# KiCad board Layer0.kicad_pcb (continued)
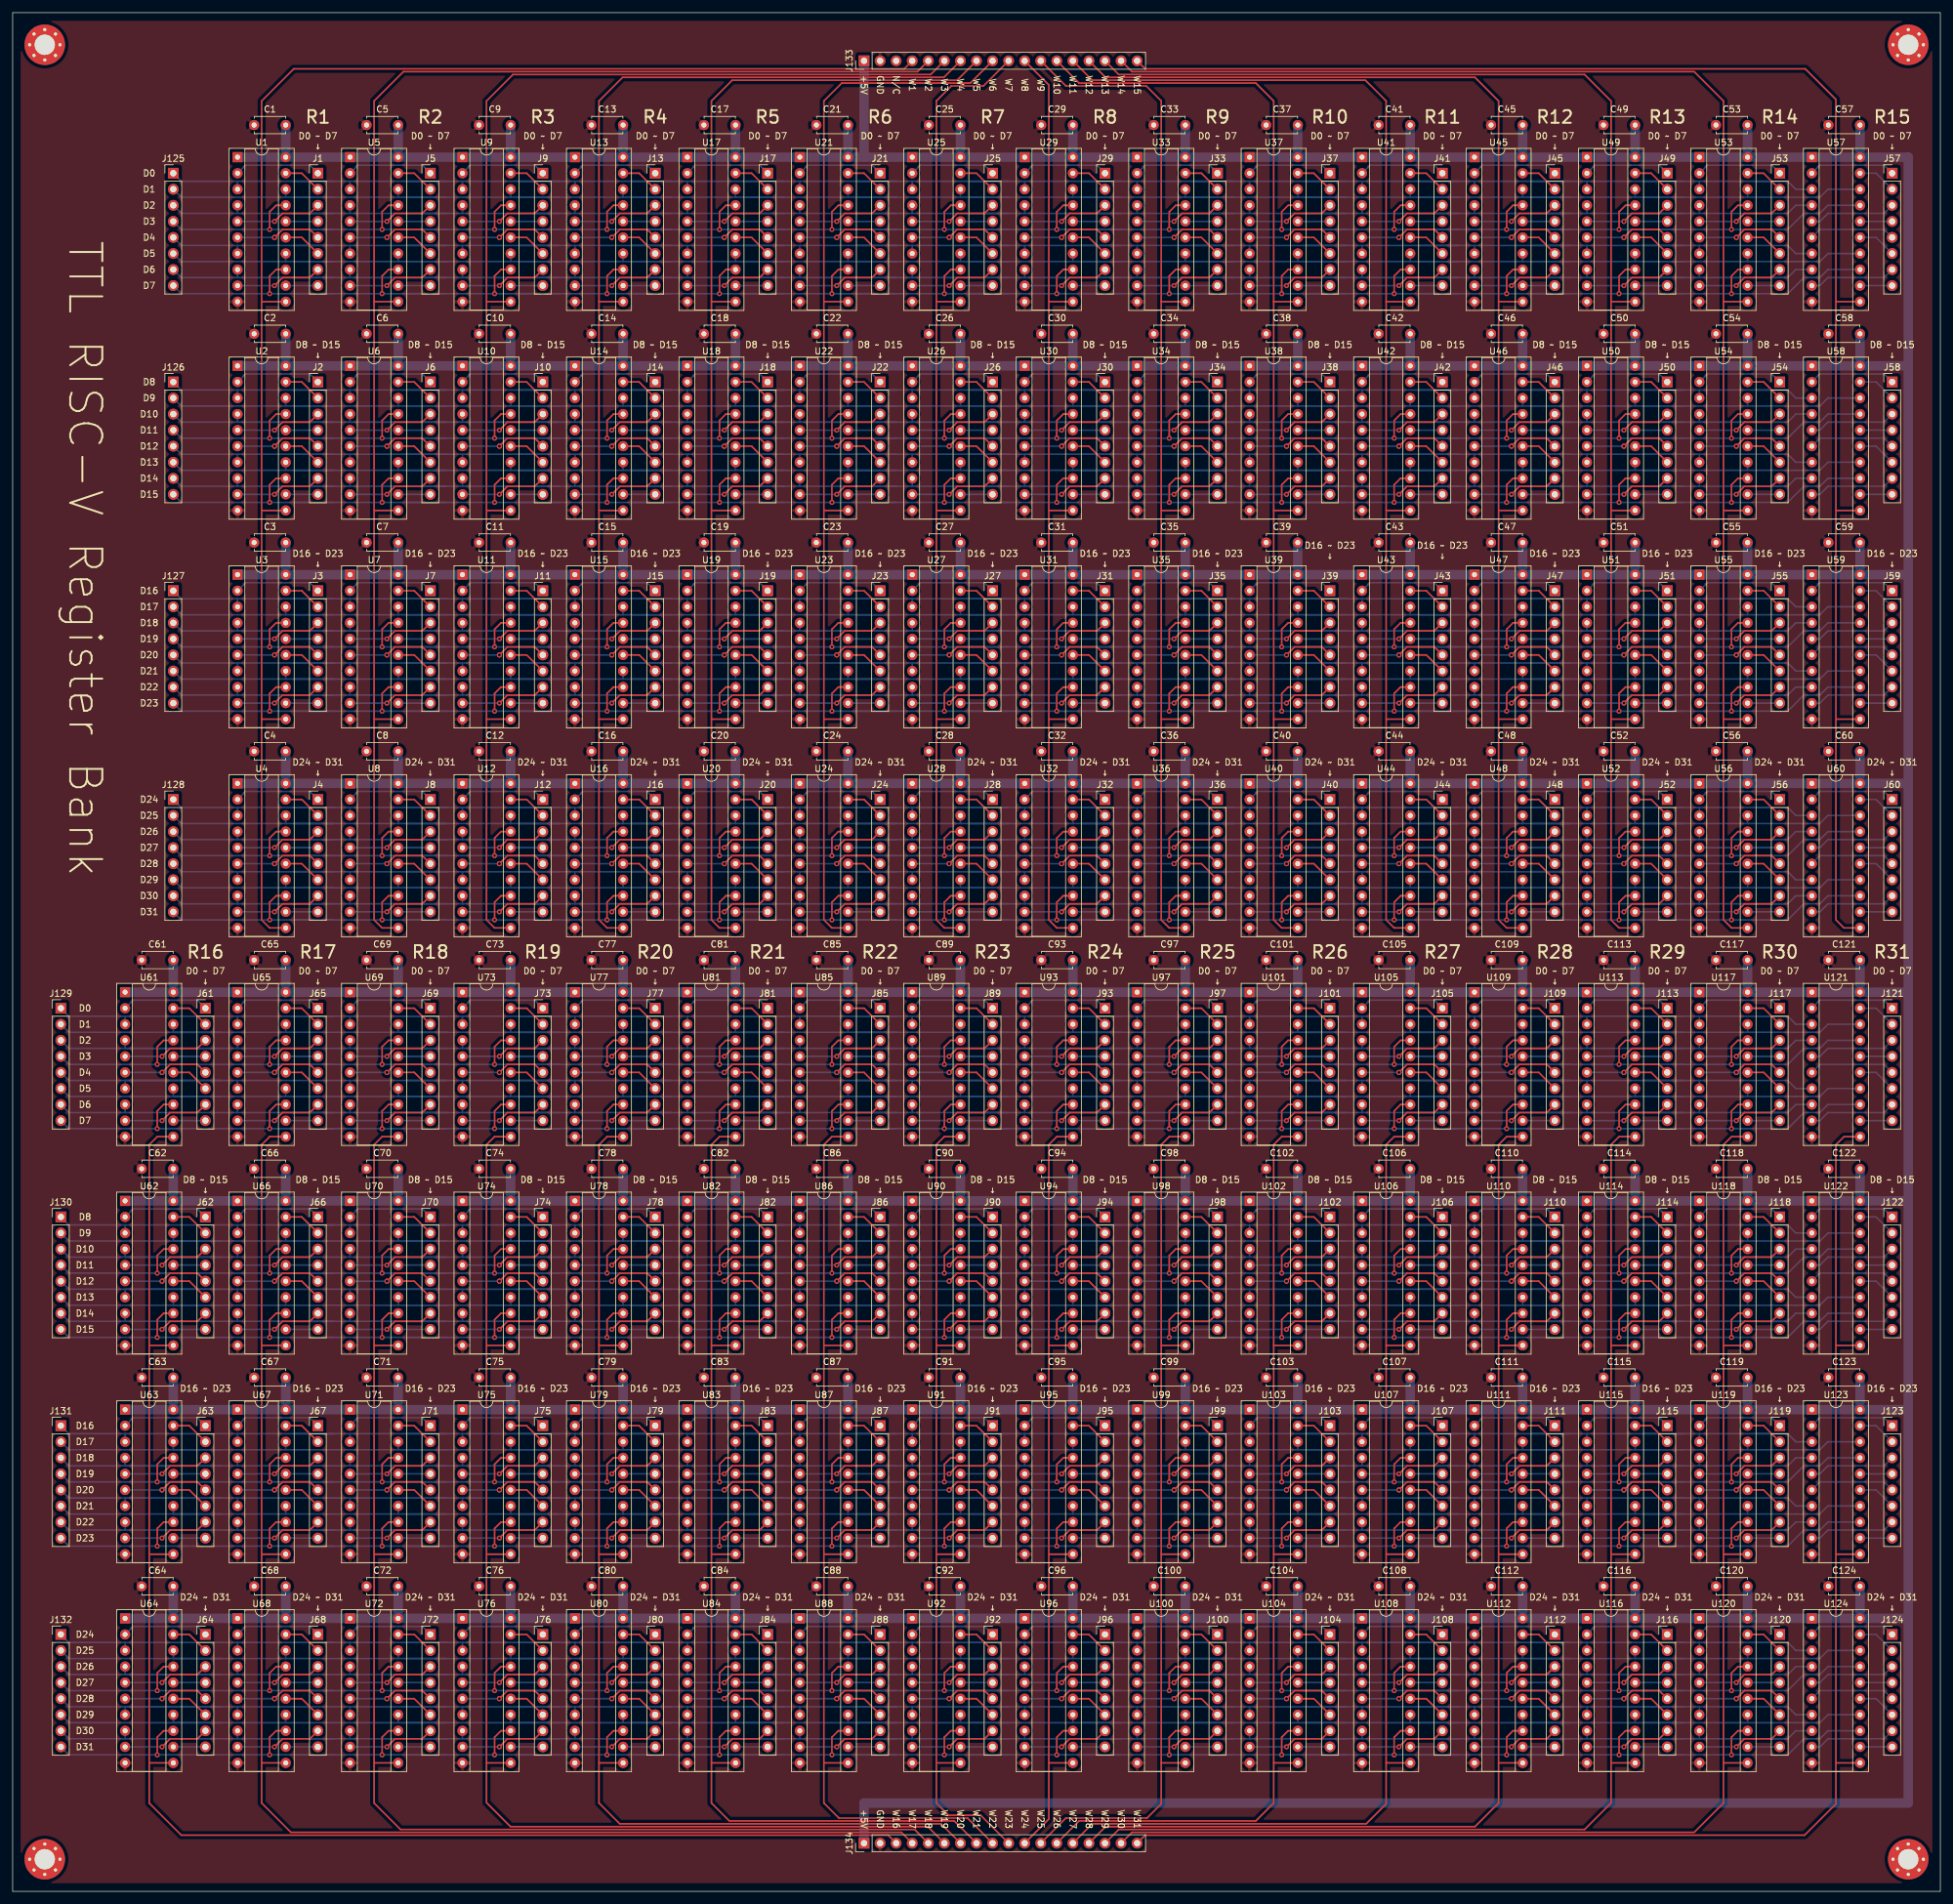
[diagram p0: board, top side]
## Routing (per net, layer and track width the routed paths; a pad name or vN(x,y) marks a point on that pad's centre or on a via; arc(x,y) is an arc through that point) (continued)
  Bottom w0.25: 157.48,64.77 v1(147.32,64.77) 133.35,64.77 ; 50.8,64.77 v1(40.64,64.77) v1(22.86,64.77) 8.89,64.77 J131.4 ; 222.25,64.77 v1(236.22,64.77) 246.38,64.77 ; 115.57,64.77 v1(129.54,64.77) 139.7,64.77 ; 97.79,64.77 v1(111.76,64.77) 121.92,64.77 ; 68.58,64.77 v1(58.42,64.77) 44.45,64.77 ; 62.23,64.77 v1(76.2,64.77) 86.36,64.77 ; 151.13,64.77 v1(165.1,64.77) 175.26,64.77 ; 80.01,64.77 v1(93.98,64.77) 104.14,64.77 ; U123.17 287.02,68.58 285.75,67.31 283.21,67.31 280.67,64.77 275.59,64.77 ; 240.03,64.77 v1(254,64.77) 264.16,64.77 ; 257.81,64.77 v1(271.78,64.77) 276.22,64.77 ; 193.04,64.77 v1(182.88,64.77) 168.91,64.77 ; 210.82,64.77 v1(200.66,64.77) 186.69,64.77 ; 228.6,64.77 v1(218.44,64.77) 204.47,64.77
/D_W6_4: length 388.4
  Bottom w0.25: U63.7 17.78,62.23 68.58,62.23 ; U67.7 35.56,62.23 ; 62.23,62.23 86.36,62.23 ; 186.69,62.23 210.82,62.23 ; U75.7 71.12,62.23 ; U123.7 281.94,60.96 280.67,62.23 257.81,62.23 ; U87.7 124.46,62.23 ; 80.01,62.23 104.14,62.23 ; U79.7 88.9,62.23 ; U71.7 53.34,62.23 ; 115.57,62.23 139.7,62.23 ; U111.7 231.14,62.23 ; U103.7 195.58,62.23 ; 222.25,62.23 246.38,62.23 ; U99.7 177.8,62.23 ; U107.7 213.36,62.23 ; 168.91,62.23 193.04,62.23 ; 204.47,62.23 228.6,62.23 ; U95.7 160.02,62.23 ; 151.13,62.23 175.26,62.23 ; U91.7 142.24,62.23 ; 97.79,62.23 121.92,62.23 ; U83.7 106.68,62.23 ; 133.35,62.23 157.48,62.23 ; U115.7 248.92,62.23 ; 240.03,62.23 264.16,62.23 ; U119.7 266.7,62.23 ; J131.5 8.89,62.23 33.02,62.23
/D_W6_5: length 388.4
  Bottom w0.25: 62.23,59.69 86.36,59.69 ; U91.14 149.86,59.69 ; 115.57,59.69 139.7,59.69 ; U67.14 43.18,59.69 ; U83.14 114.3,59.69 ; U75.14 78.74,59.69 ; U71.14 60.96,59.69 ; U87.14 132.08,59.69 ; U79.14 96.52,59.69 ; 80.01,59.69 104.14,59.69 ; 151.13,59.69 175.26,59.69 ; U119.14 274.32,59.69 ; U111.14 238.76,59.69 ; U99.14 185.42,59.69 ; 168.91,59.69 193.04,59.69 ; 204.47,59.69 228.6,59.69 ; 222.25,59.69 246.38,59.69 ; 186.69,59.69 210.82,59.69 ; U103.14 203.2,59.69 ; U107.14 220.98,59.69 ; U95.14 167.64,59.69 ; U123.14 287.02,60.96 285.75,59.69 257.81,59.69 ; 133.35,59.69 157.48,59.69 ; 97.79,59.69 121.92,59.69 ; 240.03,59.69 264.16,59.69 ; U115.14 256.54,59.69 ; U63.14 25.4,59.69 68.58,59.69 ; 33.02,59.69 8.89,59.69 J131.6
/D_W6_6: length 384.6
  Bottom w0.25: U63.8 17.78,57.15 ; 17.78,57.15 35.56,57.15 ; 17.78,57.15 8.89,57.15 J131.7 ; 35.56,57.15 U67.8 ; 35.56,57.15 50.8,57.15 ; U75.8 71.12,57.15 ; 71.12,57.15 62.23,57.15 ; 71.12,57.15 86.36,57.15 ; 142.24,57.15 157.48,57.15 ; 142.24,57.15 133.35,57.15 ; 142.24,57.15 U91.8 ; 53.34,57.15 68.58,57.15 ; 53.34,57.15 U71.8 ; 53.34,57.15 44.45,57.15 ; 266.7,57.15 280.67,57.15 ; 266.7,57.15 257.81,57.15 ; 266.7,57.15 U119.8 ; 280.67,57.15 281.94,58.42 U123.8 ; 280.67,57.15 275.59,57.15 ; 80.01,57.15 88.9,57.15 ; 88.9,57.15 U79.8 ; 88.9,57.15 104.14,57.15 ; U95.8 160.02,57.15 ; 160.02,57.15 175.26,57.15 ; 160.02,57.15 151.13,57.15 ; U87.8 124.46,57.15 ; 124.46,57.15 115.57,57.15 ; 124.46,57.15 139.7,57.15 ; U107.8 213.36,57.15 ; 213.36,57.15 204.47,57.15 ; 213.36,57.15 228.6,57.15 ; 222.25,57.15 231.14,57.15 ; 231.14,57.15 U111.8 ; 231.14,57.15 246.38,57.15 ; 177.8,57.15 193.04,57.15 ; 177.8,57.15 U99.8 ; 177.8,57.15 168.91,57.15 ; 195.58,57.15 210.82,57.15 ; 195.58,57.15 U103.8 ; 195.58,57.15 186.69,57.15 ; 106.68,57.15 121.92,57.15 ; 106.68,57.15 U83.8 ; 106.68,57.15 97.79,57.15 ; U115.8 248.92,57.15 ; 248.92,57.15 240.03,57.15 ; 248.92,57.15 264.16,57.15
/D_W6_7: length 455.5
  Top w0.25: U91.13 148.34,58.42 147.32,57.4 v1(147.32,54.61) ; v1(22.86,54.61) 22.86,57.4 23.88,58.42 U63.13 ; v1(40.64,54.61) 40.64,57.4 41.66,58.42 U67.13 ; v1(58.42,54.61) 58.42,57.4 59.44,58.42 U71.13 ; v1(129.54,54.61) 129.54,57.4 130.56,58.42 U87.13 ; v1(165.1,54.61) 165.1,57.4 166.12,58.42 U95.13 ; v1(93.98,54.61) 93.98,57.4 95,58.42 U79.13 ; v1(76.2,54.61) 76.2,57.4 77.22,58.42 U75.13 ; v1(236.22,54.61) 236.22,57.4 237.24,58.42 U111.13 ; U99.13 183.9,58.42 182.88,57.4 v1(182.88,54.61) ; U103.13 201.68,58.42 200.66,57.4 v1(200.66,54.61) ; v1(218.44,54.61) 218.44,57.4 219.46,58.42 U107.13 ; U83.13 112.78,58.42 111.76,57.4 v1(111.76,54.61) ; v1(254,54.61) 254,57.4 255.02,58.42 U115.13 ; v1(271.78,54.61) 271.78,57.4 272.8,58.42 U119.13
  Bottom w0.25: 115.57,54.61 v1(129.54,54.61) 139.7,54.61 ; U123.13 287.02,58.42 285.75,57.15 283.21,57.15 280.67,54.61 v1(271.78,54.61) 257.81,54.61 ; 133.35,54.61 v1(147.32,54.61) 157.48,54.61 ; 68.58,54.61 v1(58.42,54.61) 44.45,54.61 ; 62.23,54.61 v1(76.2,54.61) 86.36,54.61 ; 151.13,54.61 v1(165.1,54.61) 175.26,54.61 ; 80.01,54.61 v1(93.98,54.61) 104.14,54.61 ; 240.03,54.61 v1(254,54.61) 264.16,54.61 ; 222.25,54.61 v1(236.22,54.61) 246.38,54.61 ; 97.79,54.61 v1(111.76,54.61) 121.92,54.61 ; 186.69,54.61 v1(200.66,54.61) 210.82,54.61 ; 204.47,54.61 v1(218.44,54.61) 228.6,54.61 ; 168.91,54.61 v1(182.88,54.61) 193.04,54.61 ; 50.8,54.61 v1(40.64,54.61) v1(22.86,54.61) 8.89,54.61 J131.8
/D_W7_0: length 384.6
  Bottom w0.25: 17.78,39.37 35.56,39.37 ; 17.78,39.37 U64.3 ; 17.78,39.37 8.89,39.37 J132.1 ; 35.56,39.37 50.8,39.37 ; 35.56,39.37 U68.3 ; 62.23,39.37 71.12,39.37 ; 71.12,39.37 86.36,39.37 ; 71.12,39.37 U76.3 ; 266.7,39.37 280.67,39.37 ; 266.7,39.37 U120.3 ; 266.7,39.37 257.81,39.37 ; 280.67,39.37 275.59,39.37 ; 280.67,39.37 281.94,38.1 U124.3 ; 160.02,39.37 175.26,39.37 ; 160.02,39.37 U96.3 ; 160.02,39.37 151.13,39.37 ; 115.57,39.37 124.46,39.37 ; 124.46,39.37 139.7,39.37 ; 124.46,39.37 U88.3 ; 80.01,39.37 88.9,39.37 ; 88.9,39.37 104.14,39.37 ; 88.9,39.37 U80.3 ; 44.45,39.37 53.34,39.37 ; 53.34,39.37 U72.3 ; 53.34,39.37 68.58,39.37 ; 168.91,39.37 177.8,39.37 ; 177.8,39.37 U100.3 ; 177.8,39.37 193.04,39.37 ; 222.25,39.37 231.14,39.37 ; 231.14,39.37 246.38,39.37 ; 231.14,39.37 U112.3 ; U108.3 213.36,39.37 ; 213.36,39.37 228.6,39.37 ; 213.36,39.37 204.47,39.37 ; U104.3 195.58,39.37 ; 195.58,39.37 210.82,39.37 ; 195.58,39.37 186.69,39.37 ; U92.3 142.24,39.37 ; 142.24,39.37 133.35,39.37 ; 142.24,39.37 157.48,39.37 ; U84.3 106.68,39.37 ; 106.68,39.37 97.79,39.37 ; 106.68,39.37 121.92,39.37 ; 248.92,39.37 264.16,39.37 ; 248.92,39.37 240.03,39.37 ; 248.92,39.37 U116.3
/D_W7_1: length 388.4
  Bottom w0.25: 97.79,36.83 121.92,36.83 ; U64.18 25.4,36.83 68.58,36.83 ; U68.18 43.18,36.83 ; U76.18 78.74,36.83 ; 62.23,36.83 86.36,36.83 ; 133.35,36.83 157.48,36.83 ; 151.13,36.83 175.26,36.83 ; U72.18 60.96,36.83 ; U96.18 167.64,36.83 ; 80.01,36.83 104.14,36.83 ; U80.18 96.52,36.83 ; U124.18 287.02,38.1 285.75,36.83 257.81,36.83 ; 240.03,36.83 264.16,36.83 ; U104.18 203.2,36.83 ; U100.18 185.42,36.83 ; U108.18 220.98,36.83 ; 115.57,36.83 139.7,36.83 ; U112.18 238.76,36.83 ; 168.91,36.83 193.04,36.83 ; 186.69,36.83 210.82,36.83 ; 204.47,36.83 228.6,36.83 ; U88.18 132.08,36.83 ; U92.18 149.86,36.83 ; U84.18 114.3,36.83 ; 222.25,36.83 246.38,36.83 ; U116.18 256.54,36.83 ; U120.18 274.32,36.83 ; 33.02,36.83 8.89,36.83 J132.2
/D_W7_2: length 388.4
  Bottom w0.25: U68.4 35.56,34.29 ; U76.4 71.12,34.29 ; U112.4 231.14,34.29 ; 62.23,34.29 86.36,34.29 ; 68.58,34.29 17.78,34.29 U64.4 ; 115.57,34.29 139.7,34.29 ; 257.81,34.29 280.67,34.29 281.94,35.56 U124.4 ; U96.4 160.02,34.29 ; 151.13,34.29 175.26,34.29 ; U80.4 88.9,34.29 ; U72.4 53.34,34.29 ; 80.01,34.29 104.14,34.29 ; U88.4 124.46,34.29 ; U120.4 266.7,34.29 ; 204.47,34.29 228.6,34.29 ; 168.91,34.29 193.04,34.29 ; U100.4 177.8,34.29 ; U108.4 213.36,34.29 ; 186.69,34.29 210.82,34.29 ; U104.4 195.58,34.29 ; 222.25,34.29 246.38,34.29 ; 133.35,34.29 157.48,34.29 ; 97.79,34.29 121.92,34.29 ; U92.4 142.24,34.29 ; U84.4 106.68,34.29 ; 240.03,34.29 264.16,34.29 ; U116.4 248.92,34.29 ; 33.02,34.29 8.89,34.29 J132.3
/D_W7_3: length 456.1
  Top w0.25: v1(22.86,31.75) 22.86,34.54 23.88,35.56 U64.17 ; U88.17 130.56,35.56 129.54,34.54 v1(129.54,31.75) ; v1(147.32,31.75) 147.32,34.54 148.34,35.56 U92.17 ; U84.17 112.78,35.56 111.76,34.54 v1(111.76,31.75) ; v1(76.2,31.75) 76.2,34.54 77.22,35.56 U76.17 ; v1(58.42,31.75) 58.42,34.54 59.44,35.56 U72.17 ; U96.17 166.12,35.56 165.1,34.54 v1(165.1,31.75) ; v1(93.98,31.75) 93.98,34.54 95,35.56 U80.17 ; U120.17 272.8,35.56 271.78,34.54 v1(271.78,31.75) ; v1(254,31.75) 254,34.54 255.02,35.56 U116.17 ; U112.17 237.24,35.56 236.22,34.54 v1(236.22,31.75) ; U104.17 201.68,35.56 200.66,34.54 v1(200.66,31.75) ; v1(218.44,31.75) 218.44,34.54 219.46,35.56 U108.17 ; v1(182.88,31.75) 182.88,34.54 183.9,35.56 U100.17 ; v1(40.64,31.75) 40.64,34.54 41.66,35.56 U68.17
  Bottom w0.25: 157.48,31.75 v1(147.32,31.75) 133.35,31.75 ; 50.8,31.75 v1(40.64,31.75) v1(22.86,31.75) 8.89,31.75 J132.4 ; 222.25,31.75 v1(236.22,31.75) 246.38,31.75 ; 115.57,31.75 v1(129.54,31.75) 139.7,31.75 ; 97.79,31.75 v1(111.76,31.75) 121.92,31.75 ; 68.58,31.75 v1(58.42,31.75) 44.45,31.75 ; 62.23,31.75 v1(76.2,31.75) 86.36,31.75 ; 151.13,31.75 v1(165.1,31.75) 175.26,31.75 ; 80.01,31.75 v1(93.98,31.75) 104.14,31.75 ; U124.17 287.02,35.56 285.75,34.29 283.21,34.29 280.67,31.75 275.59,31.75 ; 240.03,31.75 v1(254,31.75) 264.16,31.75 ; 257.81,31.75 v1(271.78,31.75) 276.22,31.75 ; 193.04,31.75 v1(182.88,31.75) 168.91,31.75 ; 210.82,31.75 v1(200.66,31.75) 186.69,31.75 ; 228.6,31.75 v1(218.44,31.75) 204.47,31.75
/D_W7_4: length 388.4
  Bottom w0.25: U64.7 17.78,29.21 68.58,29.21 ; U68.7 35.56,29.21 ; 62.23,29.21 86.36,29.21 ; 186.69,29.21 210.82,29.21 ; U76.7 71.12,29.21 ; U124.7 281.94,27.94 280.67,29.21 257.81,29.21 ; U88.7 124.46,29.21 ; 80.01,29.21 104.14,29.21 ; U80.7 88.9,29.21 ; U72.7 53.34,29.21 ; 115.57,29.21 139.7,29.21 ; U112.7 231.14,29.21 ; U104.7 195.58,29.21 ; 222.25,29.21 246.38,29.21 ; U100.7 177.8,29.21 ; U108.7 213.36,29.21 ; 168.91,29.21 193.04,29.21 ; 204.47,29.21 228.6,29.21 ; U96.7 160.02,29.21 ; 151.13,29.21 175.26,29.21 ; U92.7 142.24,29.21 ; 97.79,29.21 121.92,29.21 ; U84.7 106.68,29.21 ; 133.35,29.21 157.48,29.21 ; U116.7 248.92,29.21 ; 240.03,29.21 264.16,29.21 ; U120.7 266.7,29.21 ; J132.5 8.89,29.21 33.02,29.21
/D_W7_5: length 388.4
  Bottom w0.25: 62.23,26.67 86.36,26.67 ; U92.14 149.86,26.67 ; 115.57,26.67 139.7,26.67 ; U68.14 43.18,26.67 ; U84.14 114.3,26.67 ; U76.14 78.74,26.67 ; U72.14 60.96,26.67 ; U88.14 132.08,26.67 ; U80.14 96.52,26.67 ; 80.01,26.67 104.14,26.67 ; 151.13,26.67 175.26,26.67 ; U120.14 274.32,26.67 ; U112.14 238.76,26.67 ; U100.14 185.42,26.67 ; 168.91,26.67 193.04,26.67 ; 204.47,26.67 228.6,26.67 ; 222.25,26.67 246.38,26.67 ; 186.69,26.67 210.82,26.67 ; U104.14 203.2,26.67 ; U108.14 220.98,26.67 ; U96.14 167.64,26.67 ; U124.14 287.02,27.94 285.75,26.67 257.81,26.67 ; 133.35,26.67 157.48,26.67 ; 97.79,26.67 121.92,26.67 ; 240.03,26.67 264.16,26.67 ; U116.14 256.54,26.67 ; U64.14 25.4,26.67 68.58,26.67 ; 33.02,26.67 8.89,26.67 J132.6
/D_W7_6: length 384.6
  Bottom w0.25: U64.8 17.78,24.13 ; 17.78,24.13 35.56,24.13 ; 17.78,24.13 8.89,24.13 J132.7 ; 35.56,24.13 U68.8 ; 35.56,24.13 50.8,24.13 ; U76.8 71.12,24.13 ; 71.12,24.13 62.23,24.13 ; 71.12,24.13 86.36,24.13 ; 142.24,24.13 157.48,24.13 ; 142.24,24.13 133.35,24.13 ; 142.24,24.13 U92.8 ; 53.34,24.13 68.58,24.13 ; 53.34,24.13 U72.8 ; 53.34,24.13 44.45,24.13 ; 266.7,24.13 280.67,24.13 ; 266.7,24.13 257.81,24.13 ; 266.7,24.13 U120.8 ; 280.67,24.13 281.94,25.4 U124.8 ; 280.67,24.13 275.59,24.13 ; 80.01,24.13 88.9,24.13 ; 88.9,24.13 U80.8 ; 88.9,24.13 104.14,24.13 ; U96.8 160.02,24.13 ; 160.02,24.13 175.26,24.13 ; 160.02,24.13 151.13,24.13 ; U88.8 124.46,24.13 ; 124.46,24.13 115.57,24.13 ; 124.46,24.13 139.7,24.13 ; U108.8 213.36,24.13 ; 213.36,24.13 204.47,24.13 ; 213.36,24.13 228.6,24.13 ; 222.25,24.13 231.14,24.13 ; 231.14,24.13 U112.8 ; 231.14,24.13 246.38,24.13 ; 177.8,24.13 193.04,24.13 ; 177.8,24.13 U100.8 ; 177.8,24.13 168.91,24.13 ; 195.58,24.13 210.82,24.13 ; 195.58,24.13 U104.8 ; 195.58,24.13 186.69,24.13 ; 106.68,24.13 121.92,24.13 ; 106.68,24.13 U84.8 ; 106.68,24.13 97.79,24.13 ; U116.8 248.92,24.13 ; 248.92,24.13 240.03,24.13 ; 248.92,24.13 264.16,24.13
/D_W7_7: length 455.5
  Top w0.25: U92.13 148.34,25.4 147.32,24.38 v1(147.32,21.59) ; v1(22.86,21.59) 22.86,24.38 23.88,25.4 U64.13 ; v1(40.64,21.59) 40.64,24.38 41.66,25.4 U68.13 ; v1(58.42,21.59) 58.42,24.38 59.44,25.4 U72.13 ; v1(129.54,21.59) 129.54,24.38 130.56,25.4 U88.13 ; v1(165.1,21.59) 165.1,24.38 166.12,25.4 U96.13 ; v1(93.98,21.59) 93.98,24.38 95,25.4 U80.13 ; v1(76.2,21.59) 76.2,24.38 77.22,25.4 U76.13 ; v1(236.22,21.59) 236.22,24.38 237.24,25.4 U112.13 ; U100.13 183.9,25.4 182.88,24.38 v1(182.88,21.59) ; U104.13 201.68,25.4 200.66,24.38 v1(200.66,21.59) ; v1(218.44,21.59) 218.44,24.38 219.46,25.4 U108.13 ; U84.13 112.78,25.4 111.76,24.38 v1(111.76,21.59) ; v1(254,21.59) 254,24.38 255.02,25.4 U116.13 ; v1(271.78,21.59) 271.78,24.38 272.8,25.4 U120.13
  Bottom w0.25: 115.57,21.59 v1(129.54,21.59) 139.7,21.59 ; U124.13 287.02,25.4 285.75,24.13 283.21,24.13 280.67,21.59 v1(271.78,21.59) 257.81,21.59 ; 133.35,21.59 v1(147.32,21.59) 157.48,21.59 ; 68.58,21.59 v1(58.42,21.59) 44.45,21.59 ; 62.23,21.59 v1(76.2,21.59) 86.36,21.59 ; 151.13,21.59 v1(165.1,21.59) 175.26,21.59 ; 80.01,21.59 v1(93.98,21.59) 104.14,21.59 ; 240.03,21.59 v1(254,21.59) 264.16,21.59 ; 222.25,21.59 v1(236.22,21.59) 246.38,21.59 ; 97.79,21.59 v1(111.76,21.59) 121.92,21.59 ; 186.69,21.59 v1(200.66,21.59) 210.82,21.59 ; 204.47,21.59 v1(218.44,21.59) 228.6,21.59 ; 168.91,21.59 v1(182.88,21.59) 193.04,21.59 ; 50.8,21.59 v1(40.64,21.59) v1(22.86,21.59) 8.89,21.59 J132.8
/WR_1: length 250.8
  Top w0.25: U4.11 40.64,152.4 39.37,153.67 39.37,185.42 ; 39.37,251.46 39.37,283.21 44.45,288.29 140.97,288.29 J133.4 ; 39.37,251.46 39.37,218.44 ; 39.37,251.46 U1.11 ; 39.37,218.44 39.37,185.42 ; 39.37,218.44 U2.11 ; 39.37,185.42 U3.11
/WR_2: length 235.6
  Top w0.25: 57.15,251.46 57.15,153.67 58.42,152.4 U8.11 ; 57.15,251.46 U5.11 ; 57.15,251.46 57.15,283.21 61.78,287.84 143.06,287.84 J133.5 ; U6.11 57.15,218.44 ; U7.11 57.15,185.42
/WR_3: length 220.3
  Top w0.25: 74.93,185.42 74.93,153.67 76.2,152.4 U12.11 ; 74.93,185.42 74.93,251.46 ; 74.93,185.42 U11.11 ; 74.93,251.46 U9.11 ; 74.93,251.46 74.93,283.21 79.11,287.39 145.15,287.39 J133.6 ; U10.11 74.93,218.44
/WR_4: length 205.1
  Top w0.25: U15.11 92.71,185.42 ; 92.71,251.46 92.71,153.67 93.98,152.4 U16.11 ; 92.71,251.46 U13.11 ; 92.71,251.46 92.71,283.21 96.44,286.94 147.24,286.94 J133.7 ; U14.11 92.71,218.44
/WR_5: length 189.8
  Top w0.25: U19.11 110.49,185.42 ; U17.11 110.49,251.46 ; 110.49,251.46 110.49,153.67 111.76,152.4 U20.11 ; 110.49,251.46 110.49,283.21 113.77,286.49 149.33,286.49 J133.8 ; U18.11 110.49,218.44
/WR_6: length 174.6
  Top w0.25: U23.11 128.27,185.42 ; U21.11 128.27,251.46 ; 128.27,251.46 128.27,153.67 129.54,152.4 U24.11 ; 128.27,251.46 128.27,283.21 131.1,286.04 151.42,286.04 J133.9 ; U22.11 128.27,218.44
/WR_7: length 159.4
  Top w0.25: U27.11 146.05,185.42 ; U25.11 146.05,251.46 ; 146.05,251.46 146.05,153.67 147.32,152.4 U28.11 ; 146.05,251.46 146.05,283.21 148.43,285.59 153.51,285.59 J133.10 ; U26.11 146.05,218.44
/WR_8: length 153.2
  Top w0.25: U31.11 163.83,185.42 ; U29.11 163.83,251.46 ; 163.83,251.46 163.83,153.67 165.1,152.4 U32.11 ; 163.83,251.46 163.83,285.75 J133.11 ; U30.11 163.83,218.44
/WR_9: length 167
  Top w0.25: U35.11 181.61,185.42 ; U33.11 181.61,251.46 ; 181.61,251.46 181.61,153.67 182.88,152.4 U36.11 ; 181.61,251.46 181.61,283.21 179.23,285.59 166.53,285.59 J133.12 ; U34.11 181.61,218.44
/WR_10: length 182.2
  Top w0.25: U39.11 199.39,185.42 ; U37.11 199.39,251.46 ; 199.39,251.46 199.39,153.67 200.66,152.4 U40.11 ; 199.39,251.46 199.39,283.21 196.56,286.04 168.62,286.04 J133.13 ; U38.11 199.39,218.44
/WR_11: length 197.5
  Top w0.25: U43.11 217.17,185.42 ; U41.11 217.17,251.46 ; 217.17,251.46 217.17,153.67 218.44,152.4 U44.11 ; 217.17,251.46 217.17,283.21 213.89,286.49 170.71,286.49 J133.14 ; U42.11 217.17,218.44
/WR_12: length 212.7
  Top w0.25: U47.11 234.95,185.42 ; U45.11 234.95,251.46 ; 234.95,251.46 234.95,153.67 236.22,152.4 U48.11 ; 234.95,251.46 234.95,283.21 231.22,286.94 172.8,286.94 J133.15 ; U46.11 234.95,218.44
/WR_13: length 227.9
  Top w0.25: U51.11 252.73,185.42 ; U49.11 252.73,251.46 ; 252.73,251.46 252.73,153.67 254,152.4 U52.11 ; 252.73,251.46 252.73,283.21 248.55,287.39 174.89,287.39 J133.16 ; U50.11 252.73,218.44
/WR_14: length 243.2
  Top w0.25: U55.11 270.51,185.42 ; U53.11 270.51,251.46 ; 270.51,251.46 270.51,153.67 271.78,152.4 U56.11 ; 270.51,251.46 270.51,283.21 265.88,287.84 176.98,287.84 J133.17 ; U54.11 270.51,218.44
/WR_15: length 258.6
  Top w0.25: U59.11 288.29,185.42 ; U57.11 288.29,251.46 ; 288.29,251.46 288.29,153.67 289.56,152.4 U60.11 ; 288.29,251.46 288.29,283.45 283.45,288.29 179.07,288.29 J133.18 ; U58.11 288.29,218.44
/WR_16: length 240.6
  Top w0.25: U63.11 21.59,53.34 ; U62.11 21.59,86.36 ; 21.59,20.32 21.59,118.11 22.86,119.38 U61.11 ; 21.59,20.32 U64.11 ; 21.59,20.32 21.59,13.97 26.67,8.89 138.43,8.89 J134.3
/WR_17: length 225.4
  Top w0.25: U67.11 39.37,53.34 ; U66.11 39.37,86.36 ; J134.4 140.52,9.34 44,9.34 39.37,13.97 39.37,20.32 ; 39.37,20.32 U68.11 ; 39.37,20.32 39.37,118.11 40.64,119.38 U65.11
/WR_18: length 210.2
  Top w0.25: U71.11 57.15,53.34 ; U70.11 57.15,86.36 ; U69.11 58.42,119.38 57.15,118.11 57.15,20.32 ; 57.15,20.32 57.15,13.97 61.33,9.79 142.61,9.79 J134.5 ; 57.15,20.32 U72.11
/WR_19: length 194.9
  Top w0.25: U75.11 74.93,53.34 ; U74.11 74.93,86.36 ; 74.93,20.32 74.93,14.03 78.72,10.24 144.7,10.24 J134.6 ; 74.93,20.32 U76.11 ; 74.93,20.32 74.93,118.11 76.2,119.38 U73.11
/WR_20: length 179.7
  Top w0.25: U79.11 92.71,53.34 ; U78.11 92.71,86.36 ; 92.71,20.32 92.71,118.11 93.98,119.38 U77.11 ; 92.71,20.32 92.71,13.97 95.99,10.69 146.79,10.69 J134.7 ; 92.71,20.32 U80.11
/WR_21: length 164.4
  Top w0.25: U83.11 110.49,53.34 ; U82.11 110.49,86.36 ; U81.11 111.76,119.38 110.49,118.11 110.49,20.32 ; 110.49,20.32 U84.11 ; 110.49,20.32 110.49,13.97 113.32,11.14 148.88,11.14 J134.8
/WR_22: length 149.2
  Top w0.25: U87.11 128.27,53.34 ; U86.11 128.27,86.36 ; U85.11 129.54,119.38 128.27,118.11 128.27,20.32 ; 128.27,20.32 U88.11 ; 128.27,20.32 128.27,13.97 130.65,11.59 150.97,11.59 J134.9
/WR_23: length 134
  Top w0.25: U91.11 146.05,53.34 ; U90.11 146.05,86.36 ; J134.10 153.06,12.04 147.98,12.04 146.05,13.97 146.05,20.32 ; U89.11 147.32,119.38 146.05,118.11 146.05,20.32 ; 146.05,20.32 U92.11
/WR_24: length 127.8
  Top w0.25: U95.11 163.83,53.34 ; U94.11 163.83,86.36 ; 163.83,20.32 U96.11 ; 163.83,20.32 163.83,11.43 J134.11 ; 163.83,20.32 163.83,118.11 165.1,119.38 U93.11
/WR_25: length 141.7
  Top w0.25: U99.11 181.61,53.34 ; U98.11 181.61,86.36 ; U97.11 182.88,119.38 181.61,118.11 181.61,20.32 ; 181.61,20.32 U100.11 ; 181.61,20.32 181.61,13.84 179.36,11.59 166.53,11.59 J134.12
/WR_26: length 156.8
  Top w0.25: U103.11 199.39,53.34 ; U102.11 199.39,86.36 ; 199.39,20.32 199.39,118.11 200.66,119.38 U101.11 ; 199.39,20.32 199.39,13.97 196.56,11.14 168.62,11.14 J134.13 ; 199.39,20.32 U104.11
/WR_27: length 172.1
  Top w0.25: U107.11 217.17,53.34 ; U106.11 217.17,86.36 ; 217.17,20.32 U108.11 ; 217.17,20.32 217.17,118.11 218.44,119.38 U105.11 ; 217.17,20.32 217.17,13.84 214.02,10.69 170.71,10.69 J134.14
/WR_28: length 187.3
  Top w0.25: U111.11 234.95,53.34 ; U110.11 234.95,86.36 ; 234.95,20.32 234.95,118.11 236.22,119.38 U109.11 ; 234.95,20.32 U112.11 ; 234.95,20.32 234.95,13.97 231.22,10.24 172.8,10.24 J134.15
/WR_29: length 202.5
  Top w0.25: U115.11 252.73,53.34 ; U114.11 252.73,86.36 ; U113.11 254,119.38 252.73,118.11 252.73,20.32 ; J134.16 174.89,9.79 248.55,9.79 252.73,13.97 252.73,20.32 ; 252.73,20.32 U116.11
/WR_30: length 217.8
  Top w0.25: U119.11 270.51,53.34 ; U118.11 270.51,86.36 ; 270.51,20.32 270.51,13.97 265.88,9.34 176.98,9.34 J134.17 ; 270.51,20.32 U120.11 ; 270.51,20.32 270.51,118.11 271.78,119.38 U117.11
/WR_31: length 233.1
  Top w0.25: U123.11 288.29,53.34 ; U122.11 288.29,86.36 ; 288.29,20.32 288.29,13.84 283.34,8.89 179.07,8.89 J134.18 ; 288.29,20.32 288.29,118.11 289.56,119.38 U121.11 ; 288.29,20.32 U124.11
Net-(J1-Pad1): length 13.8
  Bottom w0.25: U1.2 36.83,273.05 46.99,273.05 J1.1
Net-(J1-Pad2): length 6.1
  Top w0.25: U1.19 45.72,271.78 J1.2
Net-(J1-Pad3): length 13.8
  Top w0.25: v1(41.4,264.16) 42.67,265.43 46.99,265.43 J1.3
  Bottom w0.25: U1.5 v1(41.4,264.16)
Net-(J1-Pad4): length 5.1
  Bottom w0.25: J1.4 U1.16
Net-(J1-Pad5): length 13.8
  Top w0.25: v1(41.4,261.62) 42.67,262.89 46.99,262.89 J1.5
  Bottom w0.25: U1.6 v1(41.4,261.62)
Net-(J1-Pad6): length 6.1
  Top w0.25: J1.6 45.72,261.62 U1.15
Net-(J1-Pad7): length 13.8
  Top w0.25: v1(41.4,254) 42.67,255.27 46.99,255.27 J1.7
  Bottom w0.25: U1.9 v1(41.4,254)
Net-(J1-Pad8): length 5.1
  Bottom w0.25: U1.12 J1.8
Net-(J2-Pad1): length 13.8
  Bottom w0.25: J2.1 46.99,240.03 36.83,240.03 U2.2
Net-(J2-Pad2): length 6.1
  Top w0.25: J2.2 45.72,238.76 U2.19
Net-(J2-Pad3): length 13.8
  Top w0.25: J2.3 46.99,232.41 42.67,232.41 v1(41.4,231.14)
  Bottom w0.25: U2.5 v1(41.4,231.14)
Net-(J2-Pad4): length 5.1
  Bottom w0.25: J2.4 U2.16
Net-(J2-Pad5): length 13.8
  Top w0.25: v1(41.4,228.6) 42.67,229.87 46.99,229.87 J2.5
  Bottom w0.25: U2.6 v1(41.4,228.6)
Net-(J2-Pad6): length 6.1
  Top w0.25: U2.15 45.72,228.6 J2.6
Net-(J2-Pad7): length 13.8
  Top w0.25: v1(41.4,220.98) 42.67,222.25 46.99,222.25 J2.7
  Bottom w0.25: U2.9 v1(41.4,220.98)
Net-(J2-Pad8): length 5.1
  Bottom w0.25: U2.12 J2.8
Net-(J3-Pad1): length 13.8
  Bottom w0.25: J3.1 46.99,207.01 36.83,207.01 U3.2
Net-(J3-Pad2): length 6.1
  Top w0.25: J3.2 45.72,205.74 U3.19
Net-(J3-Pad3): length 13.8
  Top w0.25: J3.3 46.99,199.39 42.67,199.39 v1(41.4,198.12)
  Bottom w0.25: U3.5 v1(41.4,198.12)
Net-(J3-Pad4): length 5.1
  Bottom w0.25: J3.4 U3.16
Net-(J3-Pad5): length 13.8
  Top w0.25: v1(41.4,195.58) 42.67,196.85 46.99,196.85 J3.5
  Bottom w0.25: U3.6 v1(41.4,195.58)
Net-(J3-Pad6): length 6.1
  Top w0.25: U3.15 45.72,195.58 J3.6
Net-(J3-Pad7): length 13.8
  Top w0.25: v1(41.4,187.96) 42.67,189.23 46.99,189.23 J3.7
  Bottom w0.25: U3.9 v1(41.4,187.96)
Net-(J3-Pad8): length 5.1
  Bottom w0.25: U3.12 J3.8
Net-(J4-Pad1): length 13.8
  Bottom w0.25: J4.1 46.99,173.99 36.83,173.99 U4.2
Net-(J4-Pad2): length 6.1
  Top w0.25: J4.2 45.72,172.72 U4.19
Net-(J4-Pad3): length 13.8
  Top w0.25: J4.3 46.99,166.37 42.67,166.37 v1(41.4,165.1)
  Bottom w0.25: U4.5 v1(41.4,165.1)
Net-(J4-Pad4): length 5.1
  Bottom w0.25: J4.4 U4.16
Net-(J4-Pad5): length 13.8
  Top w0.25: v1(41.4,162.56) 42.67,163.83 46.99,163.83 J4.5
  Bottom w0.25: U4.6 v1(41.4,162.56)
Net-(J4-Pad6): length 6.1
  Top w0.25: U4.15 45.72,162.56 J4.6
Net-(J4-Pad7): length 13.8
  Top w0.25: v1(41.4,154.94) 42.67,156.21 46.99,156.21 J4.7
  Bottom w0.25: U4.9 v1(41.4,154.94)
Net-(J4-Pad8): length 5.1
  Bottom w0.25: U4.12 J4.8
Net-(J5-Pad1): length 13.8
  Bottom w0.25: J5.1 64.77,273.05 54.61,273.05 U5.2
Net-(J5-Pad2): length 6.1
  Top w0.25: J5.2 63.5,271.78 U5.19
Net-(J5-Pad3): length 13.8
  Top w0.25: J5.3 64.77,265.43 60.45,265.43 v1(59.18,264.16)
  Bottom w0.25: U5.5 v1(59.18,264.16)
Net-(J5-Pad4): length 5.1
  Bottom w0.25: J5.4 U5.16
Net-(J5-Pad5): length 13.8
  Top w0.25: v1(59.18,261.62) 60.45,262.89 64.77,262.89 J5.5
  Bottom w0.25: U5.6 v1(59.18,261.62)
Net-(J5-Pad6): length 6.1
  Top w0.25: U5.15 63.5,261.62 J5.6
Net-(J5-Pad7): length 13.8
  Top w0.25: v1(59.18,254) 60.45,255.27 64.77,255.27 J5.7
  Bottom w0.25: U5.9 v1(59.18,254)
Net-(J5-Pad8): length 5.1
  Bottom w0.25: U5.12 J5.8
Net-(J6-Pad1): length 13.8
  Bottom w0.25: J6.1 64.77,240.03 54.61,240.03 U6.2
Net-(J6-Pad2): length 6.1
  Top w0.25: J6.2 63.5,238.76 U6.19
Net-(J6-Pad3): length 13.8
  Top w0.25: J6.3 64.77,232.41 60.45,232.41 v1(59.18,231.14)
  Bottom w0.25: U6.5 v1(59.18,231.14)
Net-(J6-Pad4): length 5.1
  Bottom w0.25: J6.4 U6.16
Net-(J6-Pad5): length 13.8
  Top w0.25: v1(59.18,228.6) 60.45,229.87 64.77,229.87 J6.5
  Bottom w0.25: U6.6 v1(59.18,228.6)
Net-(J6-Pad6): length 6.1
  Top w0.25: U6.15 63.5,228.6 J6.6
Net-(J6-Pad7): length 13.8
  Top w0.25: J6.7 64.77,222.25 60.45,222.25 v1(59.18,220.98)
  Bottom w0.25: U6.9 v1(59.18,220.98)
Net-(J6-Pad8): length 5.1
  Bottom w0.25: U6.12 J6.8
Net-(J7-Pad1): length 13.8
  Bottom w0.25: J7.1 64.77,207.01 54.61,207.01 U7.2
Net-(J7-Pad2): length 6.1
  Top w0.25: J7.2 63.5,205.74 U7.19
Net-(J7-Pad3): length 13.8
  Top w0.25: J7.3 64.77,199.39 60.45,199.39 v1(59.18,198.12)
  Bottom w0.25: U7.5 v1(59.18,198.12)
Net-(J7-Pad4): length 5.1
  Bottom w0.25: J7.4 U7.16
Net-(J7-Pad5): length 13.8
  Top w0.25: v1(59.18,195.58) 60.45,196.85 64.77,196.85 J7.5
  Bottom w0.25: U7.6 v1(59.18,195.58)
Net-(J7-Pad6): length 6.1
  Top w0.25: U7.15 63.5,195.58 J7.6
Net-(J7-Pad7): length 13.8
  Top w0.25: J7.7 64.77,189.23 60.45,189.23 v1(59.18,187.96)
  Bottom w0.25: U7.9 v1(59.18,187.96)
Net-(J7-Pad8): length 5.1
  Bottom w0.25: U7.12 J7.8
